# Altium PCB A1_v40.PcbDoc (part 1 of 2) (continued)
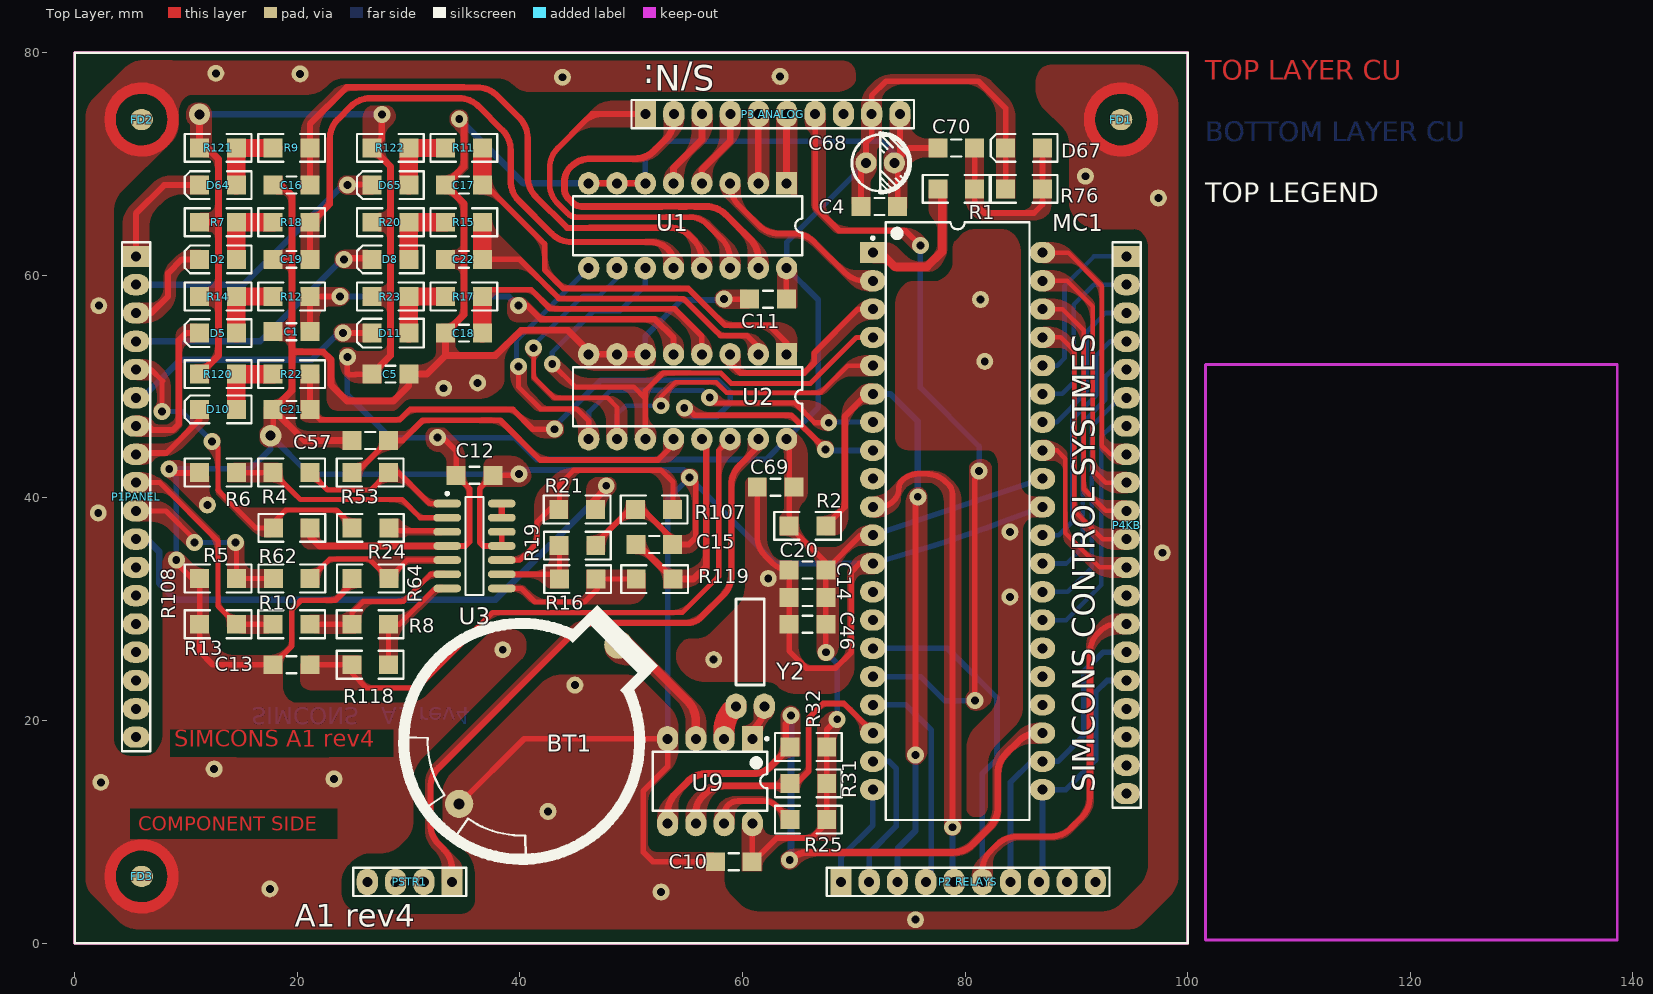
[diagram p0: Top Layer view]
## Nets (pads, with @x,y where several pads share a name; then routed paths per layer and width w, separated by ;. In a path a pad name is that pad's centre, name@x,y a point inside that pad or via, vN(x,y) a via of type N, cw(c..) or ccw(c..) an arc to the next point about the centre after c; other vN are vias at no path point) (continued)
FLGIN: P1PANEL.11 R21.2 | length 52.4
  Top Layer w0.61: R21.2@46.557,39.7 v1@47.828,40.971
  Bottom Layer w0.61: P1PANEL.11@5.5,36.3 6.448,36.3 7.595,35.154 7.595,32.334 9.068,30.861 37.795,30.861 47.752,40.818 v1(47.752,41.097)
FLT1: C16.2 R9.2 U1.13 | length 52.6
  Top Layer w0.559: C16.2@21.125,68.113 R9.2@21.125,71.45 21.125,73.601 24.425,76.901 34.943,76.901 34.958,76.886 36.159,76.886 cw(c36.159,74.346) 37.955,76.142 39.947,74.15 cw(c38.151,72.354) 40.691,72.354 40.691,68.868 ccw(c43.231,68.868) 41.435,67.072 44.238,64.268 46.238,64.268 46.257,64.287 53.456,64.287 cw(c53.456,61.747) 55.252,63.543 55.593,63.203 cw(c53.797,61.407) 56.337,61.407 U1.13@56.337,60.655
FLT1IN: D64.2 P1PANEL.1 | length 10.6
  Top Layer w0.559: P1PANEL.1@5.5,61.7 5.5,65.571 8.042,68.113 D64.2@11.221,68.113
FREQ: "P3 ANALOG.7" MC1.16 | length 72.5
  Top Layer w0.508: 66.52,74.5 66.52,66.17 68.682,64.008 74.651,64.008 v1(75.971,62.687) ; v1(80.874,21.793) 80.874,41.498 cw(c82.174,41.498) v1(81.255,42.418)
  Bottom Layer w0.508: MC1.16@71.704,23.952 75.997,23.952 78.156,21.793 v1(80.874,21.793) ; v1(75.971,62.687) 75.971,49.911 81.255,44.628 v1(81.255,42.418)
GCONTACT: "P2 RELAYS.8" MC1.21 P4KB.16 | length 23.6
  Bottom Layer w0.508: 86.62,5.5 86.944,5.824 MC1.21@86.944,13.792 89.052,13.792 91.719,16.459 91.719,22.555 92.764,23.6 P4KB.16@94.5,23.6
GND: "P3 ANALOG.10" BT1.2 C1.1 C4.1 C5.1 C10.1 C11.1 C12.1 C13.2 C14.1 C15.2 C16.1 C17.1 C18.1 C19.1 C20.1 C21.1 C22.1 C46.1 C57.2 C68.2 C69.1 C70.2 MC1.12 MC1.31 pad.2 pad.3 pad.4 pad.5 pad.6 pad.7 pad.8 pad.9 pad.10 pad.11 pad.12 pad.13 pad.14 pad.15 pad.16 pad.17 pad.18 pad.19 pad.20 pad.21 pad.22 pad.23 pad.24 pad.25 pad.26 pad.27 pad.28 R6.2 R13.1 R19.1 R64.1 R107.2 R108.1 U1.6 U1.7 U1.8 U2.6 U2.7 U2.8 U3.11 U3.12 U9.4 | length 477.6
  Top Layer w0.508: v1(8.484,42.621) 8.484,42.418 8.661,42.24 11.196,42.24 R6.2@11.221,42.266 ; v1(9.119,34.442) 9.119,34.188 10.541,32.766 R108.1@11.221,32.766 R13.1@11.221,28.651 11.221,26.193 12.395,25.019 C13.2@17.825,25.019 19.507,26.701 19.507,29.997 20.32,30.81 23.419,30.81 24.918,32.31 R64.1@24.918,32.766 ; v2(17.602,45.593) 17.825,45.816 C21.1@17.825,47.955 ; BT1.2@34.536,12.514 40.386,18.364 U9.4@53.264,18.364 53.264,15.85 51.079,13.665 51.079,8.179 51.943,7.315 C10.1@57.557,7.315 ; U3.12@38.366,36.957 U3.11@38.366,35.687 36.703,35.687 36.373,36.017 36.373,40.844 C12.1@37.566,42.037 39.827,42.037 v1(39.929,42.139) ; R19.1@46.837,36.131 47.029,36.131 50.445,39.548 53.745,36.248 C15.2@53.745,36.22 ; C15.2@53.72,35.814 55.169,35.814 55.778,36.424 55.778,41.402 55.22,41.961 v1(55.22,41.834) ; v1@58.318,57.785 58.242,57.861 v1(58.318,57.861) C11.1@60.631,57.861 ; C69.1@61.317,40.97 61.317,36.56 ccw(c63.857,36.56) 62.061,34.764 62.668,34.157 ccw(c64.187,35.676) C20.1@64.187,33.528 C14.1@64.187,31.064 C46.1@64.187,28.651 64.187,26.263 65.735,24.714 68.351,24.714 69.774,26.137 69.774,33.376 70.51,34.112 MC1.12@71.704,34.112 ; C4.1@73.938,66.192 73.938,69.8 C68.2@73.635,70.104 C68.2@74.14,70.609 ; 74.14,74.5 C68.2@74.14,70.609 ; C70.2@77.547,71.45 74.981,71.45 C68.2@74.14,70.609
  Top Layer w0.61: C1.1@17.825,54.94 19.33,54.94 19.507,54.762 ; C19.1@17.825,61.438 19.385,61.438 19.507,61.316 ; C16.1@17.825,68.113 18.552,68.113 19.507,67.158 19.507,61.316 ; C57.2@24.893,45.161 20.619,45.161 C21.1@17.825,47.955 19.507,49.637 19.507,53.213 ; C22.1@33.319,61.438 34.951,61.438 34.976,61.463 ; v1(34.544,74.066) 34.976,73.635 34.976,69.769 C17.1@33.319,68.113 34.976,66.456 34.976,61.463 ; U2.8@46.177,52.908 U2.8@46.482,52.908 ; U1.8@46.177,68.275 U1.7@48.717,68.275 U1.6@51.257,68.275 ; U2.6@51.257,52.908 U2.7@48.717,52.908 U2.8@46.482,52.908 ; 19.507,53.213 19.507,54.762 ; 19.507,53.213 19.583,53.137 22.327,53.137 23.012,52.451 23.012,50.165 24.46,48.717 28.626,48.717 30.015,50.106 C5.1@30.015,51.13 31.648,51.13 33.319,52.801 ; 19.507,54.762 19.507,61.316 ; 33.319,52.801 37.815,52.801 40.081,55.067 44.323,55.067 U2.8@46.482,52.908 ; 33.319,52.801 C18.1@33.319,54.813 34.976,56.47 34.976,61.463
  Top Layer w1.016: 8.828,6 ccw(c6,6) 8.828,6 ; 8.828,74 ccw(c6,74) 8.828,74 ; 96.828,74 ccw(c94,74) 96.828,74
  Bottom Layer w0.508: v1(9.119,34.442) 9.119,41.834 8.484,42.469 v1(8.484,42.621) 15.799,42.621 17.602,44.425 v2(17.602,45.593) 21.057,42.139 v1(39.929,42.139) 40.31,42.52 54.712,42.52 55.22,42.012 v1(55.22,41.834) ; U2.6@51.257,52.908 51.257,54.534 54.508,57.785 v1@58.318,57.785 ; U1.6@51.257,68.275 51.257,70.409 52.908,72.06 72.466,72.06 73.635,70.891 C68.2@73.635,70.104 ; U9.4@53.264,18.364 53.264,39.878 v1(55.22,41.834) ; MC1.31@86.944,39.192 83.35,37.851 81.839,37.287 78.545,36.143 77.282,35.768 MC1.12@71.704,34.112 62.941,34.112 v1(55.22,41.834)
  Bottom Layer w0.61: v1(34.544,74.066) 40.335,68.275 U1.8@46.177,68.275
HT: C17.2 R11.2 U2.1 | length 38.9
  Top Layer w0.508: C17.2@36.619,68.113 36.916,68.113 42.215,62.814 42.215,60.501 43.889,58.826 55.118,58.826 58.42,55.524 62.382,55.524 63.957,53.95 U2.1@63.957,52.908
  Top Layer w1.651: C17.2@36.619,68.113 R11.2@36.619,71.45
HTIN: D65.2 P1PANEL.2 | length 25
  Top Layer w0.559: v1@24.486,68.174 26.624,68.174 26.7,68.097 D65.2@26.715,68.113
  Bottom Layer w0.559: P1PANEL.2@5.5,59.16 15.142,59.16 24.155,68.174 v1@24.486,68.174
  other v1: 24.486,68.113
LCD_DB#4: MC1.34 P4KB.3 | length 14.8
  Bottom Layer w0.406: MC1.34@86.944,46.812 88.214,46.812 90.932,49.53 90.932,54.94 92.612,56.62 P4KB.3@94.5,56.62
LCD_DB#5: MC1.30 P4KB.4 | length 22.3
  Bottom Layer w0.406: MC1.30@86.944,36.652 88.417,36.652 89.637,37.871 89.637,47.085 91.77,49.219 91.77,52.807 93.044,54.08 P4KB.4@94.5,54.08
LCD_DB#6: MC1.29 P4KB.5 | length 22.6
  Bottom Layer w0.406: MC1.29@86.944,34.112 89.103,34.112 90.551,35.56 90.551,46.787 92.583,48.819 92.583,50.902 93.221,51.54 P4KB.5@94.5,51.54
LCD_DB#7: MC1.28 P4KB.6 | length 22.2
  Bottom Layer w0.406: MC1.28@86.944,31.572 89.205,31.572 91.364,33.731 91.364,46.45 93.396,48.482 93.396,48.489 93.907,49 P4KB.6@94.5,49
LCD_E#: MC1.35 P4KB.2 | length 15.7
  Bottom Layer w0.406: MC1.35@86.944,49.352 88.722,49.352 89.764,50.394 89.764,57.379 91.545,59.16 P4KB.2@94.5,59.16
LCD_RS#: MC1.36 P4KB.1 | length 15.4
  Bottom Layer w0.406: MC1.36@86.944,51.892 88.265,51.892 88.925,52.553 88.925,59.055 91.57,61.7 P4KB.1@94.5,61.7
LED: MC1.9
LED_MANUAL: "P2 RELAYS.6" MC1.15 P4KB.14 | length 62
  Top Layer w0.508: 81.54,5.5 81.54,6.472 cw(c84.08,6.472) 82.284,8.268 82.855,8.839 cw(c84.633,7.061) 84.633,9.576 87.695,9.576 ccw(c87.695,12.116) 89.492,10.32 90.467,11.296 ccw(c88.671,13.092) 91.211,13.092 91.211,26.075 cw(c93.751,26.075) 91.643,27.492 cw(c93.751,26.075) 91.955,27.871 92.113,28.029 cw(c93.685,26.457) 93.685,28.68 P4KB.14@94.5,28.68
  Bottom Layer w0.508: MC1.15@71.704,26.492 78.385,26.492 82.855,22.022 82.855,16.561 81.54,15.246 81.54,5.5
LLOP: C19.2 R18.2 U1.12 | length 53.7
  Top Layer w0.559: C19.2@21.125,61.438 R18.2@21.125,64.775 21.29,64.775 22.911,66.396 22.911,72.252 cw(c25.451,72.252) 23.655,74.048 24.783,75.177 cw(c26.579,73.381) 26.579,75.921 34.508,75.921 cw(c34.508,73.381) 36.304,75.177 38.423,73.058 cw(c36.627,71.262) 39.167,71.262 39.167,68.489 ccw(c41.707,68.489) 39.911,66.693 42.868,63.736 ccw(c44.664,65.532) 44.664,62.992 51.738,62.992 cw(c51.738,60.781) 53.301,62.345 cw(c51.738,60.781) 53.302,62.344 cw(c52.107,61.149) 53.797,61.149 U1.12@53.797,60.655
LLOPIN: D2.2 P1PANEL.3 | length 8.9
  Top Layer w0.559: P1PANEL.3@5.5,56.62 6.887,56.62 8.382,58.115 8.382,60.198 9.622,61.438 D2.2@11.221,61.438
MCONTACT: "P2 RELAYS.7" MC1.22 P4KB.15 | length 27.6
  Bottom Layer w0.508: 84.08,5.5 84.08,14.459 85.953,16.332 MC1.22@86.944,16.332 88.341,16.332 90.653,18.644 90.653,24.409 92.383,26.14 P4KB.15@94.5,26.14
MENU: MC1.37 P4KB.11 | length 23.5
  Top Layer w0.406: MC1.37@86.944,54.432 88.595,54.432 89.814,53.213 89.814,38.837 92.351,36.3 P4KB.11@94.5,36.3
NetBT1_1: BT1.1 U9.3 | length 12.5
  Top Layer w0.762: BT1.1@49.307,26.345 BT1.1@48.837,26.815 48.942,26.815 cw(c48.942,24.275) 50.738,26.071 55.06,21.75 cw(c53.264,19.954) 55.804,19.954 U9.3@55.804,18.364
NetC70_1: C70.1 D67.1 R1.2 R76.2 | length 16.8
  Top Layer w0.508: C70.1@80.847,71.45 R1.2@80.847,67.767 80.847,66.473 81.712,65.608 86.182,65.608 86.944,66.37 R76.2@86.943,67.767 R76.2@86.943,67.767 D67.1@86.943,71.45
NetD2_1: D2.1 R7.2 R18.1 | length 6.6
  Top Layer w1.651: D2.1@14.521,61.438 R7.2@14.521,64.775 R18.1@17.825,64.775
NetD5_1: D5.1 R12.1 R14.2 | length 6.6
  Top Layer w1.651: D5.1@14.521,54.813 R14.2@14.521,58.1 ; R14.2@14.521,58.1 R12.1@17.825,58.1
NetD8_1: D8.1 R15.1 R20.2 | length 6.6
  Top Layer w1.651: D8.1@30.015,61.438 R20.2@30.015,64.775 R15.1@33.319,64.775
NetD10_1: D10.1 R22.1 R120.1 | length 6.5
  Top Layer w1.651: D10.1@14.521,47.955 R120.1@14.521,51.13 R22.1@17.825,51.13
NetD11_1: D11.1 R17.1 R23.2 | length 6.6
  Top Layer w1.651: D11.1@30.015,54.813 R23.2@30.015,58.1 ; R23.2@30.015,58.1 R17.1@33.319,58.1
NetD64_1: D64.1 R9.1 R121.1 | length 6.6
  Top Layer w1.651: D64.1@14.521,68.113 R121.1@14.521,71.45 R9.1@17.825,71.45
NetD65_1: D65.1 R11.1 R122.1 | length 6.6
  Top Layer w1.651: D65.1@30.015,68.113 R122.1@30.015,71.45 R11.1@33.319,71.45
NetMC1_1: MC1.1 R1.1 | length 13.1
  Top Layer w0.762: MC1.1@71.704,62.052 72.39,62.052 73.66,60.782 76.581,60.782 77.927,62.128 77.927,67.387 R1.1@77.547,67.767
NetR4_1: R4.1 R53.2 U3.1 | length 14.8
  Top Layer w0.457: R4.1@21.125,42.291 22.7,40.716 26.618,40.716 R53.2@28.193,42.291 29.083,42.291 31.877,39.497 U3.1@33.466,39.497
NetR4_2: R4.2 R6.1 U3.2 | length 20.6
  Top Layer w0.457: R6.1@14.521,42.266 17.8,42.266 R4.2@17.825,42.291 20.263,39.853 29.413,39.853 31.039,38.227 U3.2@33.466,38.227
NetR8_1: R8.1 R10.2 U3.6 | length 14.8
  Top Layer w0.457: R10.2@21.125,28.651 R8.1@24.893,28.651 24.893,29.668 25.908,30.683 29.515,30.683 31.979,33.147 U3.6@33.466,33.147
NetR8_2: R8.2 R118.1 U3.7 | length 10.2
  Top Layer w0.457: R118.1@28.193,25.019 R8.2@28.193,28.651 29.159,28.651 32.385,31.877 U3.7@33.466,31.877
NetR16_1: R16.1 R19.2 U3.9 | length 8.8
  Top Layer w0.457: U3.9@38.366,33.147 43.105,33.147 R16.1@43.537,32.715 R19.2@43.537,36.131
NetR16_2: R16.2 R119.1 U3.8 | length 14.1
  Top Layer w0.457: U3.8@38.366,31.877 40.132,31.877 41.351,30.658 45.796,30.658 46.965,31.826 46.965,32.587 R16.2@46.837,32.715 R119.1@50.445,32.715
NetR21_1: R21.1 R107.1 U3.10 | length 23.1
  Top Layer w0.457: U3.10@38.366,34.417 40.005,34.417 41.529,35.941 41.529,37.846 43.231,39.548 43.537,39.548 43.537,41.2 44.831,42.494 52.68,42.494 53.745,41.428 R107.1@53.745,39.548
NetR24_2: R24.2 U3.3 | length 5.3
  Top Layer w0.457: R24.2@28.193,37.058 33.364,37.058 U3.3@33.466,36.957
NetR62_2: R62.2 R64.2 U3.5 | length 14.5
  Top Layer w0.457: R62.2@21.15,32.766 22.903,34.519 26.465,34.519 R64.2@28.218,32.766 29.869,34.417 U3.5@33.466,34.417
NetU3_13: U3.13 U3.14 | length 1.3
  Top Layer w0.61: U3.13@38.366,38.227 U3.14@38.366,39.497
NetU9_1: U9.1 Y2.1 | length 3.2
  Top Layer w0.61: U9.1@60.884,18.364 ccw(c60.238,19.01) 61.151,19.01 61.151,19.434 61.207,19.489 ccw(c59.411,21.285) 61.632,20.054 ccw(c59.411,21.285) Y2.1@61.951,21.285
NetU9_2: U9.2 Y2.2 | length 3.3
  Top Layer w1.905: U9.2@58.344,18.364 58.344,19.166 cw(c60.884,19.166) 59.088,20.962 Y2.2@59.411,21.285
R1IN: P1PANEL.12
RC6: MC1.25
RC7: MC1.26
REMOT: C1.2 R12.2 U2.5 | length 38.9
  Top Layer w0.559: C1.2@21.125,54.94 R12.2@21.125,58.1 v1(23.84,58.1) ; v1(39.853,57.277) 40.64,57.277 41.859,56.058 52.121,56.058 53.797,54.382 U2.5@53.797,52.908
  Bottom Layer w0.559: v1(23.84,58.1) 39.004,58.1 39.853,57.252 v1(39.853,57.277)
REMOTIN: D5.2 P1PANEL.7 | length 13.9
  Top Layer w0.559: P1PANEL.7@5.5,46.46 6.651,46.46 7.01,46.101 8.814,46.101 9.347,46.634 9.347,54.178 9.982,54.813 D5.2@11.221,54.813
RESET: MC1.33 P4KB.12 | length 15.8
  Top Layer w0.406: MC1.33@86.944,44.272 88.265,44.272 89.002,43.536 89.002,36.855 92.097,33.76 P4KB.12@94.5,33.76
RL_6: "P2 RELAYS.2" MC1.19 | length 13.6
  Bottom Layer w0.508: 71.38,5.5 71.38,8.083 73.812,10.516 73.812,15.697 73.178,16.332 MC1.19@71.704,16.332
RL_7: "P2 RELAYS.4" MC1.17 | length 20
  Bottom Layer w0.508: MC1.17@71.704,21.412 74.676,21.412 76.962,19.126 76.962,6.002 76.46,5.5
RL_BUZZER: "P2 RELAYS.3" MC1.6 R2.1 | length 61.1
  Top Layer w0.559: R2.1@67.487,37.49 69.19,39.193 69.19,47.32 71.221,49.352 MC1.6@71.704,49.352 ; v1(75.54,16.916) 75.54,39.903 v1(75.743,40.107)
  Bottom Layer w0.559: MC1.6@71.704,49.352 73.279,49.352 75.743,46.888 v1(75.743,40.107) ; 73.92,5.5 73.92,8.464 75.54,10.084 v1(75.54,16.916)
RL_CRANK: "P2 RELAYS.1" MC1.20 | length 9.5
  Bottom Layer w0.508: 68.84,5.5 68.84,7.728 71.704,10.592 MC1.20@71.704,13.792
RSTART: C22.2 R15.2 U2.2 | length 32.1
  Top Layer w0.508: C22.2@36.619,61.438 39.984,61.438 43.51,57.912 54.686,57.912 58.014,54.584 60.404,54.584 61.417,53.571 U2.2@61.417,52.908
  Top Layer w1.651: C22.2@36.619,61.438 R15.2@36.619,64.775
RSTARTIN: D8.2 P1PANEL.4 | length 24.7
  Top Layer w0.559: v1@24.206,61.544 25.907,61.544 26.009,61.443 26.034,61.468 26.161,61.341 26.364,61.544 26.593,61.316 D8.2@26.715,61.438
  Bottom Layer w0.559: P1PANEL.4@5.5,54.08 16.666,54.08 23.978,61.392 24.028,61.341 24.206,61.519 v1@24.206,61.544
  other v1: 24.206,61.438
S0: MC1.4 U1.11 U2.11 | length 52.6
  Top Layer w0.457: v1(42.901,52.045) 44.958,49.987 50.216,49.987 51.257,48.946 51.257,46.99 ; U2.11@51.257,45.288 51.257,46.99 ; MC1.4@71.704,54.432 70.231,54.432 66.091,50.292 58.979,50.292 58.039,51.232 52.857,51.232 51.257,49.632 51.257,46.99
  Bottom Layer w0.457: v1(42.901,52.045) 42.901,53.086 46.609,56.794 48.971,56.794 51.257,59.08 U1.11@51.257,60.655
S1: MC1.5 U1.10 U2.10 | length 53.5
  Top Layer w0.406: v1(41.199,53.492) 41.224,53.467 41.224,50.851 43.078,48.997 47.879,48.997 48.717,48.159 U2.10@48.717,45.288 ; v1(52.654,48.285) 52.654,49.073 53.975,50.394 57.617,50.394 58.556,49.454 67.005,49.454 69.443,51.892 MC1.5@71.704,51.892
  Bottom Layer w0.406: v1(41.199,53.492) 41.199,53.696 45.669,58.166 47.142,58.166 48.717,59.741 U1.10@48.717,60.655 ; U2.10@48.717,45.288 48.717,47.498 49.505,48.285 v1(52.654,48.285)
S2: MC1.7 U1.9 U2.9 | length 52.8
  Top Layer w0.457: v1(39.853,51.816) 39.853,49.987 41.834,48.006 45.085,48.006 46.177,46.914 U2.9@46.177,45.288 ; v1(57.048,49.022) 57.582,49.022 57.328,48.768 57.556,48.539 64.706,48.539 66.484,46.761 v1(67.742,46.761)
  Bottom Layer w0.457: v1(39.853,51.816) 39.7,51.968 39.7,54.178 U1.9@46.177,60.655 ; U2.9@46.177,45.288 46.177,47.701 48.158,49.682 53.233,49.682 53.258,49.657 56.413,49.657 v1@56.794,49.276 ; v1(67.742,46.761) 67.792,46.812 MC1.7@71.704,46.812
SCL: MC1.18 R31.2 U9.6 | length 25.2
  Top Layer w0.508: R31.2@64.263,14.351 64.846,14.351 65.938,15.443 65.938,20.244 67.234,21.539 69.105,21.539 71.704,18.941 MC1.18@71.704,18.872
  Top Layer w0.61: U9.6@55.804,10.744 55.804,11.783 cw(c57.712,11.783) 56.363,13.132 56.621,13.391 cw(c58.418,11.595) 57.06,13.741 cw(c58.418,11.595) 58.418,14.135 64.047,14.135 R31.2@64.263,14.351
SDA: MC1.23 R32.2 U9.5 | length 60.9
  Top Layer w0.61: U9.5@53.264,10.744 53.264,11.673 cw(c55.804,11.673) 54.008,13.469 55.034,14.496 cw(c56.831,12.7) 55.452,14.834 cw(c56.831,12.7) 56.831,15.24 61.036,15.24 ccw(c61.036,17.266) 62.468,15.833 R32.2@64.263,17.628 63.881,18.01 63.881,19.685 64.364,20.168 v1(64.364,20.472) ; v1(64.237,7.468) cw(c65.892,5.812) 65.892,8.153 78.907,8.153 ccw(c78.907,10.693) 79.598,8.249 ccw(c78.907,10.693) 80.703,8.897 82.187,10.381 ccw(c80.391,12.177) 82.835,11.487 ccw(c80.391,12.177) 82.931,12.177 82.931,15.229 cw(c85.471,15.229) 83.675,17.025 84.778,18.128 cw(c86.574,16.332) 86.052,18.818 cw(c86.574,16.332) 86.574,18.872 MC1.23@86.944,18.872
  Bottom Layer w0.61: v1(64.237,7.468) ccw(c63.93,7.774) 64.262,7.495 ccw(c63.93,7.774) 64.364,7.774 v1(64.364,20.472)
SPIIO: R25.2 U9.7 | length 8
  Top Layer w0.508: U9.7@58.344,10.744 58.344,11.519 cw(c59.601,11.519) 58.712,12.408 cw(c59.601,11.519) 59.601,12.776 61.887,12.776 cw(c61.887,11.087) 63.081,12.282 ; 63.081,12.281 R25.2@64.263,11.1
SPIRST: MC1.24
TIOUT: P1PANEL.13
UP: MC1.39 P4KB.9 | length 23.7
  Top Layer w0.406: MC1.39@86.944,59.512 89.154,59.512 91.465,57.201 91.465,42.545 92.63,41.38 P4KB.9@94.5,41.38
VCC: "P3 ANALOG.9" C4.2 C5.2 C10.2 C11.2 C12.2 C14.2 C20.2 C46.2 C68.1 C69.2 D67.2 MC1.11 MC1.32 R2.2 R5.1 R7.1 R14.1 R20.1 R23.1 R25.1 R31.1 R32.1 R76.1 R120.2 R121.2 R122.2 U1.16 U2.16 U3.4 U9.8 | length 283.4
  Top Layer w0.508: v1(24.486,52.654) 24.486,51.257 24.663,51.079 25.197,51.079 25.247,51.13 C5.2@26.715,51.13 ; v1(32.588,45.415) 33.096,45.415 34.266,44.246 C12.2@34.266,42.037 35.458,40.844 35.458,36.068 35.077,35.687 U3.4@33.466,35.687 ; U9.8@60.884,10.744 60.857,10.718 C10.2@60.857,7.315 60.935,7.315 63.068,9.449 66.191,9.449 67.563,10.82 R25.1@67.563,11.1 R31.1@67.563,14.351 R32.1@67.563,17.577 ; C11.2@63.931,57.861 63.931,60.629 U1.16@63.957,60.655 ; U2.16@63.957,45.288 64.187,45.058 R2.2@64.187,37.49 67.487,34.19 C20.2@67.487,33.528 ; v1(67.488,26.137) C46.2@67.487,28.651 C46.2@67.487,28.651 C14.2@67.487,31.064 C20.2@67.487,33.528 ; R32.1@67.563,17.628 67.563,19.176 v1(68.504,20.117) ; C4.2@70.638,66.192 70.638,69.648 C68.1@71.095,70.104 71.095,71.933 71.6,72.438 71.6,74.5 71.6,76.147 72.898,77.445 81.204,77.445 83.643,75.005 R76.1@83.643,67.767 ; MC1.11@71.704,36.652 70.611,36.652 C20.2@67.487,33.528
  Top Layer w0.61: v2(11.201,74.473) 11.201,71.47 R121.2@11.221,71.45 11.913,71.45 12.903,70.46 12.903,64.643 ; R120.2@11.221,51.13 12.903,52.812 12.903,58.115 ; R14.1@11.221,58.1 12.888,58.1 12.903,58.115 ; R7.1@11.221,64.775 12.771,64.775 12.903,64.643 ; R5.1@21.125,37.058 21.125,36.558 21.996,35.687 U3.4@33.466,35.687 ; C5.2@26.715,51.13 28.372,52.787 28.372,58.064 ; R23.1@26.715,58.1 28.336,58.1 28.372,58.064 ; R20.1@26.715,64.775 28.341,64.775 28.372,64.745 ; v1(27.584,74.473) 27.584,72.319 R122.2@26.715,71.45 28.372,69.793 28.372,64.745 ; 12.903,58.115 12.903,64.643 ; 28.372,58.064 28.372,64.745
  Bottom Layer w0.508: v1(24.486,52.654) 24.486,49.276 28.346,45.415 v1(32.588,45.415) 39.548,45.415 41.504,43.459 62.128,43.459 U2.16@63.957,45.288 66.802,48.133 66.802,57.81 U1.16@63.957,60.655 63.957,62.966 C68.1@71.095,70.104 ; v1(67.488,26.137) 68.504,25.121 v1(68.504,20.117) v1@68.58,20.193 ; MC1.11@71.704,36.652 MC1.32@86.944,41.732
  Bottom Layer w0.61: v2(11.201,74.473) v1(27.584,74.473)
pads on no net: "P2 RELAYS.9" "P2 RELAYS.10" "P3 ANALOG.8" FD1. FD2. FD3. MC1.13 MC1.14 P1PANEL.14 P1PANEL.15 P1PANEL.16 P1PANEL.17 P1PANEL.18 P4KB.13 P4KB.17 P4KB.18 P4KB.19 P4KB.20 PSTR1.2 PSTR1.3 PSTR1.4
copper on no net: | length 720
  Top Layer w0.203: 0,0 0,80 100,80 100,0 0,0
  Bottom Layer w0.203: 0,0 0,80 100,80 100,0 0,0

## Polygon pours and split planes (outlines as drawn)
BTS-_R on Top Layer "BTS-_R_L01_P360" (solid, pour order 360): 8.103,41.351 7.87,41.584 ccw(c6.96,40.673) 6.96,41.961 6.96,41.427 7.271,41.116 ccw(c8.052,41.896) 8.052,40.792
BTS-_R on Top Layer "BTS-_R_L01_P358" (solid, pour order 358): 9.135,40.42 8.301,41.255 ccw(c7.087,40.041) 7.087,41.758 ccw(c7.087,41.635) 7,41.722 6.756,41.478 7.4,40.834 ccw(c7.747,41.181) 7.747,40.691 cw(c7.747,39.219) 8.788,40.26 8.865,40.183
GND on Top Layer "GND_L01_P356" (solid, pour order 356): 12.065,41.961 12.065,40.823 ccw(c13.366,40.823) 12.446,39.903 11.877,39.335 ccw(c12.528,38.684) 11.608,38.684 11.535,38.757 ccw(c11.405,38.627) 11.405,38.811 8.583,41.633 ccw(c8.497,41.546) 8.497,41.668 8.497,42.589 ccw(c8.452,42.589) 8.484,42.621
GND on Top Layer "GND_L01_P354" (solid, pour order 354): 99.136,74.842 ccw(c97.575,74.842) 98.679,75.946 97.617,74.884 cw(c97.053,75.448) 97.053,74.651 97.053,74.407 cw(c94.513,74.407) 96.309,72.611 96.114,72.415 ccw(c97.401,73.703) 97.401,71.882 99.136,71.882
GND on Top Layer "GND_L01_P352" (solid, pour order 352): 60 vertices, not listed, extent 3.073,1.245 99.136,78.943
GND on Top Layer "GND_L01_P350" (solid, pour order 350): 8.738,75.717 cw(c9.473,75.717) 8.953,76.238 12.014,79.299 7.653,79.299 ccw(c7.653,77.564) 6.426,78.791 ccw(c6.488,78.729) 6.401,78.729 6.401,77.368 cw(c6.401,77.311) 6.442,77.351 7.967,75.826 ccw(c8.23,76.089) 8.23,75.717
GND on Top Layer "GND_L01_P348" (solid, pour order 348): 70 vertices, not listed, extent 0.991,4.335 70.18,79.324
GND on Top Layer "GND_L01_P346" (solid, pour order 346): 19 vertices, not listed, extent 21.666,12.497 40.564,28.219
GND on Top Layer "GND_L01_P344" (solid, pour order 344): 8.23,8.001 8.23,7.783 ccw(c10.77,7.783) 8.974,5.987 9.169,5.791 ccw(c9.599,6.22) 9.599,5.613 12.167,5.613 12.167,6.835 ccw(c11.56,6.835) 11.989,7.264 11.285,7.968 cw(c13.081,9.764) 10.541,9.764 10.541,10.033 8.791,10.033 cw(c8.791,10.241) 8.644,10.094
GND on Top Layer "GND_L01_P342" (solid, pour order 342): 36 vertices, not listed, extent 1.016,1.372 17.983,13.843
GND on Top Layer "GND_L01_P176" (solid, pour order 176): 60.604,57.023 58.419,57.023 cw(c58.419,58.064) 57.683,57.328 cw(c58.113,57.757) 57.506,57.757 57.506,57.991 cw(c58.113,57.991) 57.683,58.42 57.801,58.538 cw(c58.191,58.148) 58.191,58.699 60.338,58.699 cw(c60.338,58.179) 60.706,58.547
COMM2 on Top Layer "COMM2_L01_P174" (solid, pour order 174): 23 vertices, not listed, extent 57.937,50.978 71.78,57.912
S2 on Top Layer "S2_L01_P172" (solid, pour order 172): 18 vertices, not listed, extent 56.286,45.999 68.504,49.53
CONT_SENSE on Top Layer "CONT_SENSE_L01_P170" (solid, pour order 170): 24 vertices, not listed, extent 54.026,44.298 68.199,48.616
S1 on Top Layer "S1_L01_P168" (solid, pour order 168): 27 vertices, not listed, extent 51.918,48.26 71.755,52.832
GND on Top Layer "GND_L01_P166" (solid, pour order 166): 44 vertices, not listed, extent 7.899,1.372 53.518,34.769
VCC on Top Layer "VCC_L01_P164" (solid, pour order 164): 42 vertices, not listed, extent 63.017,25.349 71.882,46.279
GND on Top Layer "GND_L01_P162" (solid, pour order 162): 45 vertices, not listed, extent 54.026,22.403 71.857,41.834
GND on Top Layer "GND_L01_P160" (solid, pour order 160): 30 vertices, not listed, extent 33.071,1.397 58.369,24.105
SPIIO on Top Layer "SPIIO_L01_P158" (solid, pour order 158): 20 vertices, not listed, extent 57.404,10.236 65.1,13.183
SCL on Top Layer "SCL_L01_P156" (solid, pour order 156): 43 vertices, not listed, extent 54.889,10.592 72.847,21.742
SDA on Top Layer "SDA_L01_P154" (solid, pour order 154): 28 vertices, not listed, extent 52.324,10.49 65.176,21.311
VCC on Top Layer "VCC_L01_P152" (solid, pour order 152): 28 vertices, not listed, extent 59.944,6.477 69.063,20.879
NetU9_1 on Top Layer "NETU9_1_L01_P150" (solid, pour order 150): 59.944,19.507 ccw(c59.944,20.795) 60.855,19.884 60.909,19.939 ccw(c60.664,20.184) 61.011,20.184 61.011,21.463 ccw(c61.072,21.524) 61.072,21.438 62.89,21.438 62.89,21.005 cw(c61.85,21.005) 62.586,20.269 62.326,20.01 ccw(c63.541,18.796) 61.824,18.796 ccw(c62.866,17.754) 61.392,17.754 61.392,17.602
NetBT1_1 on Top Layer "NETBT1_1_L01_P144" (solid, pour order 144): 17 vertices, not listed, extent 47.6,18.237 56.744,28.067
BAT on Top Layer "BAT_L01_P142" (solid, pour order 142): 39 vertices, not listed, extent 31.496,5.105 62.357,45.364
FLG on Top Layer "FLG_L01_P140" (solid, pour order 140): 21 vertices, not listed, extent 50.14,31.877 57.048,36.601
NetR16_2 on Top Layer "NETR16_2_L01_P138" (solid, pour order 138): 22 vertices, not listed, extent 38.366,30.429 51.283,33.553
GND on Top Layer "GND_L01_P136" (solid, pour order 136): 41 vertices, not listed, extent 45.999,34.976 56.058,42.647
FLGIN on Top Layer "FLGIN_L01_P134" (solid, pour order 134): 47.625,38.862 cw(c49.587,38.862) 48.2,40.25 48.451,40.501 ccw(c47.931,41.021) 48.666,41.021 48.666,41.058 ccw(c47.712,41.058) 48.387,41.732 ccw(c48.019,41.364) 48.019,41.885 47.065,41.885 ccw(c47.065,40.844) 46.33,41.58 ccw(c47.249,40.66) 45.949,40.66 45.949,39.497
NetR16_1 on Top Layer "NETR16_1_L01_P132" (solid, pour order 132): 39.065,33.426 41.263,33.426 ccw(c41.263,34.987) 42.367,33.884 ccw(c41.631,34.619) 42.672,34.619 42.672,35.56 42.693,35.56 ccw(c42.693,37.901) 44.348,36.246 44.348,32.552 cw(c43.394,32.552) 44.069,31.877 42.832,31.877 cw(c42.832,32.571) 42.342,32.08 42.324,32.098 ccw(c40.528,30.302) 40.528,32.842 39.091,32.842
NetR21_1 on Top Layer "NETR21_1_L01_P130" (solid, pour order 130): 37 vertices, not listed, extent 38.964,34.163 54.534,42.723
S2 on Top Layer "S2_L01_P128" (solid, pour order 128): 20 vertices, not listed, extent 39.116,45.187 47.117,51.841
S1 on Top Layer "S1_L01_P126" (solid, pour order 126): 29 vertices, not listed, extent 40.437,45.212 49.657,53.543
S0 on Top Layer "S0_L01_P124" (solid, pour order 124): 29 vertices, not listed, extent 42.316,45.212 55.499,52.527
REMOT on Top Layer "REMOT_L01_P122" (solid, pour order 122): 18 vertices, not listed, extent 49.682,52.629 54.737,56.337
EMSTP on Top Layer "EMSTP_L01_P120" (solid, pour order 120): 28 vertices, not listed, extent 36.246,52.832 57.277,58.699
RSTART on Top Layer "RSTART_L01_P118" (solid, pour order 118): 34 vertices, not listed, extent 35.865,52.832 62.357,65.507
HT on Top Layer "HT_L01_P116" (solid, pour order 116): 41 vertices, not listed, extent 35.992,53.137 64.897,71.12
BTSBATT on Top Layer "BTSBATT_L01_P114" (solid, pour order 114): 39 vertices, not listed, extent 20.269,22.733 59.817,45.314
NetR8_2 on Top Layer "NETR8_2_L01_P112" (solid, pour order 112): 17 vertices, not listed, extent 27.356,24.206 33.045,32.207
NetR8_1 on Top Layer "NETR8_1_L01_P110" (solid, pour order 110): 25 vertices, not listed, extent 20.599,27.788 33.299,33.452
REMOT on Top Layer "REMOT_L01_P108" (solid, pour order 108): 42.418,55.778 39.755,55.778 cw(c39.755,56.646) 39.141,56.032 cw(c39.816,56.707) 38.862,56.707 38.862,57.309 cw(c39.642,57.309) 39.091,57.861 cw(c39.581,57.371) 39.581,58.064 40.005,58.064 cw(c40.005,57.329) 40.525,57.849 41.768,56.607 ccw(c42.418,57.257) 42.418,56.337 42.829,56.337 cw(c42.829,56.164) 42.951,56.286
GND on Top Layer "GND_L01_P106" (solid, pour order 106): 31 vertices, not listed, extent 28.981,48.514 52.197,55.397
GND on Top Layer "GND_L01_P104" (solid, pour order 104): 20.782,46.05 20.67,46.05 cw(c20.67,46.916) 20.058,46.304 cw(c20.657,46.903) 19.809,46.903 19.809,50.485 19.795,50.471 cw(c19.37,50.895) 19.37,50.295 19.37,50.262 cw(c17.046,50.262) 18.689,48.618 ccw(c19.689,47.619) 18.275,47.619 18.275,47.328 ccw(c19.404,47.328) 18.606,46.53 19.362,45.773 ccw(c20.675,47.086) 20.675,45.23 20.831,45.23
NetR62_2 on Top Layer "NETR62_2_L01_P100" (solid, pour order 100): 25 vertices, not listed, extent 20.498,32.182 33.466,34.747
HTIN on Top Layer "HTIN_L01_P098" (solid, pour order 98): 26.822,67.259 24.428,67.259 cw(c24.428,68.04) 23.876,67.488 cw(c24.489,68.101) 23.622,68.101 23.622,68.148 cw(c24.48,68.148) 23.873,68.755 cw(c24.37,68.259) 24.37,68.961 26.441,68.961
RSTARTIN on Top Layer "RSTARTIN_L01_P096" (solid, pour order 96): 26.772,60.604 24.22,60.604 cw(c24.22,61.558) 23.546,60.884 cw(c24.036,61.374) 23.343,61.374 23.343,61.547 cw(c23.95,61.547) 23.52,61.976 cw(c24.256,61.24) 24.256,62.281 26.314,62.281 ccw(c26.56,62.526) 26.56,62.179 26.772,62.179
EMSTPIN on Top Layer "EMSTPIN_L01_P092" (solid, pour order 92): 26.645,53.975 24.083,53.975 cw(c24.083,54.842) 23.47,54.229 cw(c23.96,54.72) 23.266,54.72 23.266,55.042 cw(c23.634,55.042) 23.374,55.302 23.546,55.474 cw(c23.975,55.044) 23.975,55.651 26.264,55.651 ccw(c26.509,55.897) 26.509,55.55 26.949,55.55
REMOT on Top Layer "REMOT_L01_P090" (solid, pour order 90): 17 vertices, not listed, extent 20.269,54.432 24.663,58.953
GND on Top Layer "GND_L01_P088" (solid, pour order 88): 26 vertices, not listed, extent 33.376,67.158 35.331,74.905
GND on Top Layer "GND_L01_P086" (solid, pour order 86): 24 vertices, not listed, extent 32.893,65.405 35.281,70.968
GND on Top Layer "GND_L01_P084" (solid, pour order 84): 57 vertices, not listed, extent 19.507,47.828 35.636,57.633
CONT_SENSE on Top Layer "CONT_SENSE_L01_P082" (solid, pour order 82): 32 vertices, not listed, extent 20.269,45.364 43.942,51.359
FLDIR on Top Layer "FLDIR_L01_P080" (solid, pour order 80): 22 vertices, not listed, extent 36.347,43.155 54.737,47.244
FLDIR on Top Layer "FLDIR_L01_P078" (solid, pour order 78): 26 vertices, not listed, extent 24.536,41.453 31.928,46.99
NetR4_2 on Top Layer "NETR4_2_L01_P076" (solid, pour order 76): 28.27,39.624 28.403,39.624 cw(c28.403,37.369) 29.997,38.964 30.319,38.642 ccw(c31.75,40.073) 31.75,38.049 32.028,38.049 ccw(c32.028,38.483) 32.334,38.176 32.524,38.366 cw(c32.741,38.149) 32.741,38.456 31.654,38.456 cw(c31.654,39.756) 30.734,38.837 29.928,39.643 ccw(c28.931,38.645) 28.931,40.056
NetR4_1 on Top Layer "NETR4_1_L01_P074" (solid, pour order 74): 20 vertices, not listed, extent 26.618,39.167 32.664,43.129
NetR4_1 on Top Layer "NETR4_1_L01_P072" (solid, pour order 72): 20.599,41.453 21.174,41.453 cw(c21.174,40.325) 21.971,41.123 22.174,40.92 ccw(c22.911,41.657) 22.911,40.615 23.18,40.615 ccw(c23.18,41.742) 23.978,40.945 23.071,40.945 cw(c23.071,41.639) 22.581,41.148 22.348,41.38 cw(c23.259,42.291) 21.971,42.291 21.869,42.291 cw(c21.869,43.332) 21.133,42.596
NetR24_2 on Top Layer "NETR24_2_L01_P070" (solid, pour order 70): 28.524,38.151 29.072,38.151 cw(c29.072,38.064) 29.134,38.125 29.548,37.711 ccw(c30.632,38.795) 30.632,37.262 32.079,37.262 cw(c32.079,35.788) 33.122,36.83 32.962,36.67 cw(c32.918,36.714) 32.918,36.652 30.075,36.652 ccw(c30.075,36.219) 29.769,36.525 cw(c29.646,36.648) 29.646,36.474 28.444,36.474 cw(c28.444,36.648) 28.321,36.525
VCC on Top Layer "VCC_L01_P068" (solid, pour order 68): 21.996,36.881 21.996,36.552 ccw(c22.43,36.552) 22.123,36.246 22.126,36.243 ccw(c22.733,36.85) 22.733,35.992 23.392,35.992 cw(c23.392,34.518) 24.435,35.56 cw(c24.006,35.989) 24.006,35.382 21.187,35.382 cw(c21.187,36.249) 20.574,35.636 cw(c21.249,36.311) 20.295,36.311 20.295,38.151 20.79,38.151 cw(c20.79,37.63) 21.158,37.998